# Altium PCB carrier.PcbDoc (part 2 of 5) (continued)
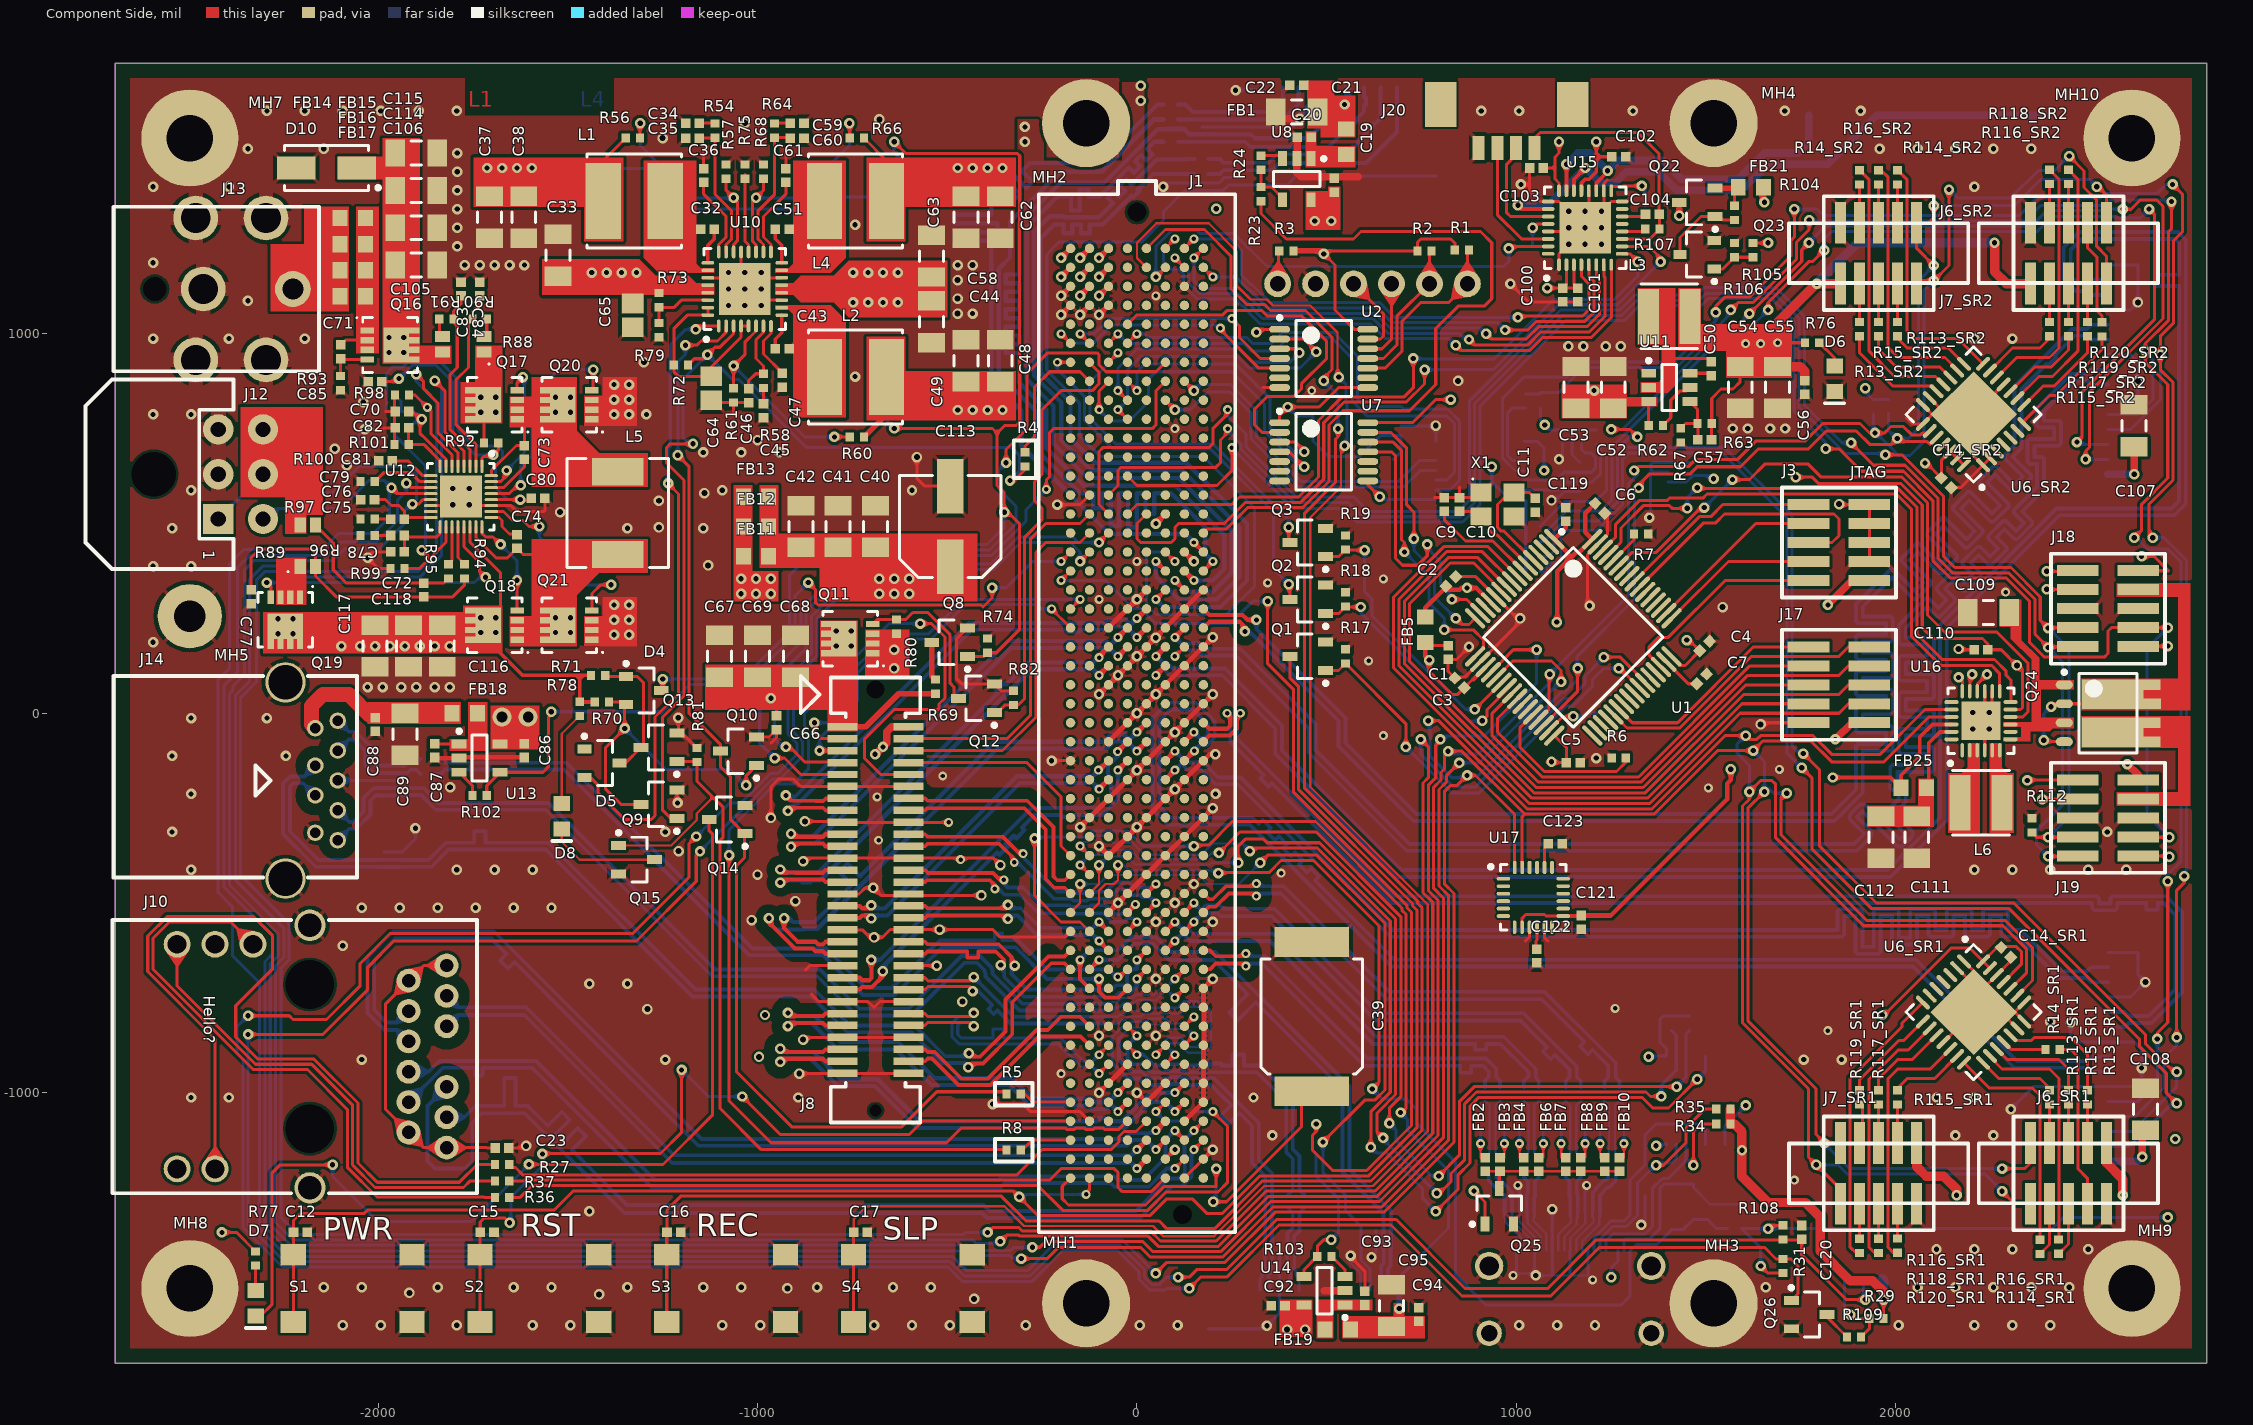
[diagram p0: Component Side view]
## Nets (pads, with @x,y where several pads share a name; then routed paths per layer and width w, separated by ;. In a path a pad name is that pad's centre, name@x,y a point inside that pad or via, vN(x,y) a via of type N, cw(c..) or ccw(c..) an arc to the next point about the centre after c; other vN are vias at no path point)
BAT_CON: J12.5 J12.6 R89.2
BAT_CONc: Q19.S R89.1
BQL: Q17.D R88.1 R92.2 | length 104.9
  Component Side w8: R92.2@-1720.47,712.6 -1720.47,802.17 Q17.D@-1709.65,812.99
  other v1: -1729.33,793.31 -1689.96,793.31 -1729.33,832.68 -1689.96,832.68
BQSL: C73.2 L5.1 Q17.S Q20.D U12.32 | length 205.3
  Component Side w8: U12.32@-1701.77,625.98 -1700.79,626.97 -1700.79,640.16 -1635.43,705.51 C73.2@-1614.17,705.51 -1614.17,755.51 Q17.S@-1633.27,774.61
  other v1: -1532.48,793.31 -1493.11,793.31 -1532.48,832.68 -1493.11,832.68
BQSR: C74.2 L5.2 Q18.S Q21.D U12.23 | length 441.7
  Component Side w8: U12.23@-1742.13,491.14 -1742.13,462.6 -1688.98,409.45 -1659.05,409.45 C74.2@-1633.86,434.65 -1617.72,418.5 L5.2@-1368.11,418.5
  other v1: -1532.48,212.6 -1493.11,212.6 -1532.48,251.97 -1493.11,251.97
CHRG_OK: U1.43 U12.4 | length 8121.3
  Component Side w8: v1(-1850.39,875.98) -1824,849.59 -1824,741.21 -1773.62,690.83 U12.4@-1773.62,650.59 ; v1(-393.7,-1368.11) -383.86,-1368.11 -383.81,-1368.06 -383.81,-1358.81 -380.5,-1355.5 -311.27,-1355.5 -302.77,-1364 35.26,-1364 62.21,-1390.95 208.85,-1390.95 340.84,-1258.96 627.63,-1258.96 779.54,-1107.05 779.54,-498.35 754,-472.81 754,-183.6 767.72,-169.89 767.72,-88.58 v1(748.03,-68.9) ; v1(1230.31,147.64) 1273.79,147.64 1339.3,82.12 U1.43@1339.3,80.29
  Solder Side w8: v1(-1850.39,875.98) -1832.3,857.89 -1832.3,416.65 -1890.46,358.49 -2240.49,358.49 -2256.02,374.02 -2297.41,374.02 -2320.87,350.56 -2320.87,82.4 -2362.2,41.06 -2362.2,-426.68 -2234.25,-554.63 -2234.25,-649.61 -2256.09,-671.45 -2256.09,-1328.27 -2210.49,-1373.88 -456.83,-1373.88 -451.07,-1368.11 v1(-393.7,-1368.11) ; v1(748.03,-68.9) 748.03,-108.15 833.84,-193.97 892.65,-193.97 1125.98,39.37 1141.73,39.37 1181.1,78.74 1181.1,98.43 v1(1230.31,147.64)
CPWR: J1.A48 R8.1 | length 142.1
  Component Side w8: R8.1@-306.1,-1151.57 -302.87,-1151.57 -276.3,-1125 J1.A48@-175,-1125
CRST: J1.A46 R5.1 | length 139.8
  Component Side w8: R5.1@-306.1,-1003.94 -294.82,-1003.94 -273.76,-1025 J1.A46@-175,-1025
CSI0_CLK_N: J1.G21 J5.8 | length 4986.2
  Component Side w13.4: v3(100,200) J1.G21@125,225
  Solder Side w10: v3(100,200) 116,184 166.26,184 180.05,170.21 272.71,170.21 470.76,-27.84 470.76,-96.74 718.5,-344.49 1889.76,-344.49 1916.62,-317.63 1882.68,-283.7 cw(c1893.07,-273.3) 1882.68,-262.91 1901.49,-244.1 cw(c1911.88,-254.49) 1922.28,-244.1 2010.39,-332.21 2024.53,-318.07 1980.75,-274.29 cw(c1991.15,-263.89) 1980.75,-253.5 2007.87,-226.38 2007.87,-202.58 1990.68,-202.58 1985.41,-197.31 1985.41,-141.85 1990.68,-136.58 2082.14,-136.58 2082.14,-106.58 2013.15,-106.58 2007.87,-101.31 2007.87,-45.85 2013.15,-40.58 2082.14,-40.58 2082.14,-10.58 2013.15,-10.58 2007.87,-5.31 2007.87,50.15 2013.15,55.42 2082.14,55.42 2082.14,85.42 2013.15,85.42 2007.87,90.69 2007.87,146.15 2013.15,151.42 2082.14,151.42 2082.14,181.42 2013.15,181.42 2007.87,186.69 2007.87,232.15 2078.92,303.19 2086.38,303.19 2112.74,276.83 2133.95,298.04 2107.59,324.41 2107.59,331.86 2146.8,371.08 2154.26,371.08 2180.62,344.71 2201.84,365.92 2175.47,392.29 2175.47,399.75 2214.68,438.96 2222.14,438.96 2248.51,412.59 2269.72,433.81 2243.35,460.17 2243.35,467.63 2282.57,506.84 2290.02,506.84 2316.39,480.48 2337.6,501.69 2311.24,528.05 2311.24,535.51 2372.05,596.32 2372.05,657.13 2352.26,657.13 2346.99,662.4 2346.99,717.86 2352.26,723.13 2417.22,723.13 2417.22,753.13 2377.32,753.13 2372.05,758.4 2372.05,803.86 2463.02,894.83 2504,894.83 2514.68,905.51 J5.8@2559.06,905.51
CSI0_CLK_P: J1.G22 J5.9 | length 4983.4
  Component Side w7: v3(100,150) J1.G22@125,175
  Solder Side w10: v3(100,150) 116,166 158.8,166 172.59,152.21 260.48,152.21 452.76,-40.07 452.76,-104.2 711.05,-362.49 1897.22,-362.49 1931.68,-328.03 ccw(c1921.29,-317.63) 1935.99,-317.63 ccw(c1921.29,-317.63) 1931.68,-307.24 1897.74,-273.3 1911.88,-259.16 2000,-347.27 ccw(c2010.39,-336.88) 2020.79,-347.27 2039.6,-328.46 ccw(c2029.2,-318.07) 2043.9,-318.07 ccw(c2029.2,-318.07) 2039.6,-307.67 1995.81,-263.89 2025.87,-233.83 2025.87,-189.85 2020.6,-184.58 2003.41,-184.58 2003.41,-154.58 2094.87,-154.58 2100.14,-149.31 2100.14,-93.85 2094.87,-88.58 2025.87,-88.58 2025.87,-58.58 2094.87,-58.58 2100.14,-53.31 2100.14,2.15 2094.87,7.42 2025.87,7.42 2025.87,37.42 2094.87,37.42 2100.14,42.69 2100.14,98.15 2094.87,103.42 2025.87,103.42 2025.87,133.42 2094.87,133.42 2100.14,138.69 2100.14,194.15 2094.87,199.42 2025.87,199.42 2025.87,224.69 2082.65,281.47 2109.01,255.1 2116.47,255.1 2155.68,294.31 2155.68,301.77 2129.32,328.14 2150.53,349.35 2176.9,322.98 2184.35,322.98 2223.56,362.2 2223.56,369.65 2197.2,396.02 2218.41,417.23 2244.78,390.87 2252.23,390.87 2291.45,430.08 2291.45,437.54 2265.08,463.9 2286.29,485.11 2312.66,458.75 2320.12,458.75 2359.33,497.96 2359.33,505.42 2332.96,531.78 2390.05,588.87 2390.05,669.86 2384.78,675.13 2364.99,675.13 2364.99,705.13 2429.95,705.13 2435.22,710.4 2435.22,765.86 2429.95,771.13 2390.05,771.13 2390.05,796.4 2470.47,876.83 2504,876.83 2514.68,866.14 J5.9@2559.06,866.14
CSI0_D0_N: J1.F22 J5.2 | length 4986.2
  Component Side w13.4: v3(50,150) J1.F22@75,175
  Solder Side w10: v3(50,150) 66,134 78.46,134 94.35,118.11 232.15,118.11 382.17,-31.91 382.17,-98.43 697.13,-413.39 1978.35,-413.39 2116.14,-275.59 2116.14,232.15 2423.65,539.65 2726.38,539.65 2746.06,559.34 2746.06,1125.79 2686.42,1125.79 2686.42,1155.79 2746.06,1155.79 2746.06,1185.79 2746.06,1200.79 2746.06,1240.16 2736.22,1250 2490.16,1250 2460.63,1220.47 2460.63,1151.57 2481.16,1131.05 2504,1131.05 2514.68,1141.73 J5.2@2559.06,1141.73
CSI0_D0_P: J1.F23 J5.3 | length 4986.2
  Component Side w13.4: v3(50,100) J1.F23@75,125
  Solder Side w10: v3(50,100) 66,116 71.01,116 86.9,100.11 224.69,100.11 364.17,-39.37 364.17,-105.88 689.68,-431.39 1985.8,-431.39 2134.14,-283.05 2134.14,224.69 2431.1,521.65 2733.83,521.65 2764.06,551.88 2764.06,1247.61 2743.68,1268 2482.7,1268 2442.63,1227.93 2442.63,1144.12 2473.7,1113.05 2504,1113.05 2514.68,1102.36 J5.3@2559.06,1102.36
CSI0_D1_N: J1.H20 J5.5 | length 4979.6
  Component Side w10: 288.21,249.05 291.2,246.06 v1(314.96,246.06)
  Component Side w11: J1.H20@175,275 191,259 278.27,259 288.21,249.05
  Solder Side w10: v1(314.96,246.06) 314.96,222.31 549.5,-12.23 549.5,-78.74 736.5,-265.75 1830.71,-265.75 1894.69,-201.77 1894.69,-86.03 1899.96,-80.76 1973.74,-80.76 1973.74,-50.76 1899.96,-50.76 1894.69,-45.49 1894.69,9.97 1899.96,15.24 1973.74,15.24 1973.74,45.24 1899.96,45.24 1894.69,50.51 1894.69,105.97 1899.96,111.24 1973.74,111.24 1973.74,141.24 1899.96,141.24 1894.69,146.51 1894.69,201.97 1899.96,207.24 1973.74,207.24 1973.74,237.24 1899.96,237.24 1894.69,242.51 1894.69,287.97 1985.92,379.21 1993.38,379.21 2050.02,322.56 2071.24,343.78 2014.59,400.42 2014.59,407.88 2053.81,447.09 2061.26,447.09 2117.9,390.45 2139.12,411.66 2082.48,468.3 2082.48,475.76 2121.69,514.97 2129.14,514.97 2185.79,458.33 2207,479.54 2150.36,536.18 2150.36,543.64 2189.57,582.85 2197.03,582.85 2253.67,526.21 2274.88,547.42 2218.24,604.07 2218.24,611.52 2257.45,650.74 2264.91,650.74 2313.01,602.63 2334.23,623.84 2286.12,671.95 2286.12,679.4 2312.99,706.27 2312.99,862.07 2463.86,1012.94 2504,1012.94 2514.68,1023.62 J5.5@2559.06,1023.62
CSI0_D1_P: J1.H21 J5.6 | length 4994.4
  Component Side w10: 275.49,236.33 284.5,227.31 v1(284.5,215.6)
  Component Side w11: J1.H21@175,225 191,241 270.81,241 275.49,236.33
  Power_layer1 w11: v1(284.5,215.6) 285.43,216.54 v1@295.28,216.54
  Solder Side w10: v1(284.5,215.6) 296.21,215.6 531.5,-19.68 531.5,-86.2 729.05,-283.75 1838.16,-283.75 1912.69,-209.23 1912.69,-98.76 1986.47,-98.76 1991.74,-93.49 1991.74,-38.03 1986.47,-32.76 1912.69,-32.76 1912.69,-2.76 1986.47,-2.76 1991.74,2.51 1991.74,57.97 1986.47,63.24 1912.69,63.24 1912.69,93.24 1986.47,93.24 1991.74,98.51 1991.74,153.97 1986.47,159.24 1912.69,159.24 1912.69,189.24 1986.47,189.24 1991.74,194.51 1991.74,249.97 1986.47,255.24 1912.69,255.24 1912.69,280.51 1989.65,357.48 2046.29,300.84 2053.75,300.84 2092.96,340.05 2092.96,347.51 2036.32,404.15 2057.53,425.36 2114.18,368.72 2121.63,368.72 2160.85,407.93 2160.85,415.39 2104.2,472.03 2125.42,493.24 2182.06,436.6 2189.51,436.6 2228.73,475.81 2228.73,483.27 2172.09,539.91 2193.3,561.13 2249.94,504.48 2257.4,504.48 2296.61,543.7 2296.61,551.15 2239.97,607.79 2261.18,629.01 2309.29,580.9 2316.74,580.9 2355.95,620.12 2355.95,627.57 2307.85,675.68 2330.99,698.82 2330.99,854.61 2391.73,915.35 2397.07,920.69 2400.85,916.91 2422.07,938.12 2418.28,941.9 2439.5,963.12 2460.71,984.33 2471.32,994.94 2504,994.94 2514.68,984.25 J5.6@2559.06,984.25
CSI1_CLK_N: J1.G27 J4.8 | length 3393.5
  Component Side w13.4: J1.G27@125,-75 v3(150,-50)
  Solder Side w10: v3(150,-50) 165.45,-65.45 177.17,-65.45 187.01,-55.61 187.01,-29.53 147.64,9.84 88.58,9.84 59.06,-19.68 59.06,-246.06 88.58,-275.59 304.41,-275.59 320.94,-292.13 331.53,-281.54 352.74,-302.76 342.16,-313.34 363.37,-334.56 373.96,-323.97 395.17,-345.18 384.58,-355.77 405.8,-376.98 416.38,-366.4 437.59,-387.61 427.01,-398.19 448.22,-419.41 458.81,-408.82 480.02,-430.04 469.44,-440.62 490.65,-461.83 501.26,-472.44 678.42,-649.61 2053.01,-649.61 2319.61,-916.2 2504,-916.2 2514.68,-905.51 J4.8@2559.06,-905.51
CSI1_CLK_P: J1.G28 J4.9 | length 3393.5
  Component Side w13.4: J1.G28@125,-125 v3(151.1,-98.9)
  Solder Side w10: v3(151.1,-98.9) 166.55,-83.45 184.62,-83.45 205.01,-63.06 205.01,-22.07 155.09,27.84 81.13,27.84 41.06,-12.23 41.06,-253.52 81.13,-293.59 296.95,-293.59 670.97,-667.61 2045.56,-667.61 2312.15,-934.2 2504,-934.2 2514.68,-944.88 J4.9@2559.06,-944.88
CSI1_D0_N: J1.F28 J4.2 | length 3384.6
  Component Side w13.4: J1.F28@75,-125 v3(100,-100)
  Solder Side w10: v3(100,-100) 116,-116 125.57,-116 139.2,-129.64 174.78,-129.64 214.15,-169.01 273.2,-169.01 675.06,-570.87 1845.88,-570.87 1845.88,-521.55 1851.15,-516.28 1906.61,-516.28 1911.88,-521.55 1911.88,-615.61 1941.88,-615.61 1941.88,-521.55 1947.15,-516.28 2002.61,-516.28 2007.88,-521.55 2007.88,-591.4 2037.88,-591.4 2037.88,-521.55 2043.15,-516.28 2098.61,-516.28 2103.88,-521.55 2103.88,-570.87 2133.88,-570.87 2133.88,-521.55 2139.15,-516.28 2194.61,-516.28 2199.88,-521.55 2199.88,-570.87 2229.88,-570.87 2229.88,-521.55 2235.15,-516.28 2290.61,-516.28 2295.88,-521.55 2295.88,-570.87 2328.61,-570.87 2437.72,-679.98 2504,-679.98 2514.68,-669.29 J4.2@2559.06,-669.29
CSI1_D0_P: J1.F29 J4.3 | length 3384.6
  Component Side w13.4: J1.F29@75,-175 v3(100,-150)
  Solder Side w10: v3(100,-150) 116,-134 118.11,-134 131.75,-147.64 167.32,-147.64 206.69,-187.01 265.75,-187.01 667.61,-588.87 1858.61,-588.87 1863.88,-583.59 1863.88,-534.28 1893.88,-534.28 1893.88,-628.34 1899.15,-633.61 1954.61,-633.61 1959.88,-628.34 1959.88,-534.28 1989.88,-534.28 1989.88,-604.13 1995.15,-609.4 2050.61,-609.4 2055.88,-604.13 2055.88,-534.28 2085.88,-534.28 2085.88,-583.59 2091.15,-588.87 2146.61,-588.87 2151.88,-583.59 2151.88,-534.28 2181.88,-534.28 2181.88,-583.59 2187.15,-588.87 2242.61,-588.87 2247.88,-583.59 2247.88,-534.28 2277.88,-534.28 2277.88,-583.59 2283.15,-588.87 2321.15,-588.87 2430.26,-697.98 2504,-697.98 2514.68,-708.66 J4.3@2559.06,-708.66
CSI1_D1_N: J1.H26 J4.5 | length 3389.3
  Component Side w11: J1.H26@175,-25 191,-41 237.37,-41 246.06,-32.31 246.06,-8.28 v3(237.78,0)
  Solder Side w10: v3(237.78,0) 246.06,-8.28 246.06,-74.67 259.98,-88.58 270.58,-99.19 291.8,-120.4 313.01,-141.62 334.22,-162.83 325.49,-171.56 346.7,-192.78 355.44,-184.04 452.76,-281.36 671.68,-500.28 1844.52,-500.28 2401.57,-500.28 2517.43,-500.28 2517.43,-513.87 2522.7,-519.15 2578.15,-519.15 2583.43,-513.87 2583.43,-500.28 2660.01,-500.28 2660.01,-517.75 2690.01,-517.75 2690.01,-500.28 2705.01,-500.28 ; J4.5@2559.06,-787.4 2603.43,-787.4 2614.11,-798.09 2666.48,-798.09 2736.22,-728.35 2736.22,-531.5 2705.01,-500.28 ; 2716.54,-511.81 2705.01,-500.28
CSI1_D1_P: J1.H27 J4.6 | length 3373
  Component Side w11: J1.H27@175,-75 191,-59 244.83,-59 264.06,-39.76 264.06,-8.28 v3(272.34,0)
  Solder Side w10: v3(272.34,0) 264.06,-8.28 264.06,-67.21 679.13,-482.28 1837.06,-482.28 2419.57,-482.28 2530.15,-482.28 2535.43,-487.56 2535.43,-501.15 2565.43,-501.15 2565.43,-487.56 2570.7,-482.28 2712.46,-482.28 2754.22,-524.04 2754.22,-735.8 2673.94,-816.09 2614.11,-816.09 2603.43,-826.77 J4.6@2559.06,-826.77
CSI2_CLK_N: J1.D21 J8.19 | length 1265.6
  Component Side w11: v1(-911.72,-317.37) -903.44,-325.65 -827.21,-325.65 -820.46,-318.9 J8.19@-775.59,-318.9
  Component Side w13.4: v3(-50,200) J1.D21@-25,225
  Solder Side w11: v1(-911.72,-317.37) -903.44,-325.65 -855.65,-325.65 -340,190 -81,190 -75,184 -66,184 v3(-50,200)
CSI2_CLK_P: J1.D22 J8.21 | length 1265.6
  Component Side w11: v1(-911.72,-351.93) -903.44,-343.65 -827.21,-343.65 -820.46,-350.39 J8.21@-775.59,-350.39
  Component Side w13.4: v3(-50,150) J1.D22@-25,175
  Solder Side w11: v1(-911.72,-351.93) -903.44,-343.65 -848.19,-343.65 -332.54,172 -88.46,172 -82.46,166 -66,166 v3(-50,150)
CSI2_D0_N: J1.C22 J8.25 | length 1300.9
  Component Side w11: v1(-940,-411.72) -931.72,-420 -900.13,-420 -900,-420.13 -827.21,-420.13 -820.46,-413.39 J8.25@-775.59,-413.39
  Component Side w13.4: v3(-100,146.72) -100,150 J1.C22@-75,175
  Solder Side w11: v1(-940,-411.72) -931.72,-420 -929.11,-420 -928.98,-420.13 -840.13,-420.13 -370.79,49.21 -366.53,53.47 -371.24,58.17 -349.32,80.09 -344.61,75.39 -322.69,97.31 -311.73,108.27 -286,134 -116,134 -103.28,146.72 v3(-100,146.72)
CSI2_D0_P: J1.C23 J8.27 | length 1296.6
  Component Side w11: v1(-940,-446.28) -931.72,-438 -907.59,-438 -907.46,-438.13 -827.21,-438.13 -820.46,-444.88 J8.27@-775.59,-444.88
  Component Side w13.4: v3(-100,100) J1.C23@-75,125
  Solder Side w11: v1(-940,-446.28) -933.72,-440 -915.35,-440 -904.35,-440 -882.35,-440 -882.35,-445.5 -860.35,-445.5 -860.35,-440 -834.54,-440 -278.54,116 -116,116 v3(-100,100)
CSI2_D1_N: J1.E20 J8.13 | length 1327.5
  Component Side w10: v1(-925.19,-216.53) -911.07,-230.66 -846.96,-230.66 -846.46,-231.16 -826.71,-231.16 -819.96,-224.41 J8.13@-775.59,-224.41
  Component Side w13.4: v3(0,250) J1.E20@25,275
  Solder Side w10: v1(-925.19,-216.53) -909.78,-216.53 -903.44,-222.88 -442.56,238.01 -86.8,238.01 -78.74,246.06 -28.84,246.06 -16.78,234 -16,234 v3(0,250)
CSI2_D1_P: J1.E21 J8.15 | length 1330.3
  Component Side w10: v1(-920,-257.44) -911.72,-249.16 -826.71,-249.16 -819.96,-255.91 J8.15@-775.59,-255.91
  Component Side w13.4: v3(0,200) J1.E21@25,225
  Solder Side w10: v1(-920,-257.44) -903.44,-240.88 -895.99,-240.88 -435.1,220.01 -187.01,220.01 -182.8,220.01 -182.8,214.19 -152.8,214.19 -152.8,220.01 -137.8,220.01 -79.34,220.01 -71.28,228.06 -36.3,228.06 -24.23,216 -16,216 v3(0,200)
CSI3_CLK_N: J1.D27 J8.43 | length 1109.3
  Component Side w11: J8.43@-775.59,-696.85 -730.72,-696.85 -723.97,-703.6 -705.74,-703.6 -700,-697.86 v1(-700,-650)
  Component Side w13.4: v3(-51.1,-101.1) J1.D27@-25,-75
  Solder Side w11: v1(-700,-650) -677.46,-650 -277.46,-250 -98,-250 -68,-220 -68,-169.16 -76.28,-160.89 -76.28,-139.11 -50,-112.84 -51.1,-111.73 v3(-51.1,-101.1)
CSI3_CLK_P: J1.D28 J8.45 | length 1108.9
  Component Side w11: J8.45@-775.59,-728.35 -730.72,-728.35 -723.97,-721.6 -698.28,-721.6 -670,-693.32 v1(-670,-680)
  Component Side w13.4: v3(-50,-150) J1.D28@-25,-125
  Solder Side w11: v1(-670,-680) -670,-668 -389.78,-387.78 -368.64,-366.64 -362.26,-373.02 -340.34,-351.1 -346.72,-344.72 -324.8,-322.8 -318.03,-329.57 -296.11,-307.65 -302.88,-300.88 -280.96,-278.96 -270,-268 -261.04,-268 -230.04,-268 -199.04,-268 -199.04,-273.5 -168.04,-273.5 -168.04,-268 -137.04,-268 -106.04,-268 -90.54,-268 -50,-227.46 v3(-50,-150)
CSI3_D0_N: J1.C28 J8.31 | length 872.5
  Component Side w11: J8.31@-775.59,-507.87 -730.72,-507.87 -723.97,-514.62 -708.28,-514.62 v1(-700,-506.34)
  Component Side w13.4: v3(-101.56,-150) -100,-150 J1.C28@-75,-125
  Solder Side w11: v1(-700,-506.34) -691.72,-514.62 -664.62,-514.62 -316,-166 -116,-166 -101.56,-151.56 v3(-101.56,-150)
CSI3_D0_P: J1.C29 J8.33 | length 871.6
  Component Side w11: J8.33@-775.59,-539.37 -730.72,-539.37 -723.97,-532.62 -708.28,-532.62 v1(-700,-540.9)
  Component Side w13.4: v3(-100,-200) J1.C29@-75,-175
  Solder Side w11: v1(-700,-540.9) -691.72,-532.62 -657.17,-532.62 -308.54,-184 -116,-184 v3(-100,-200)
CSI3_D1_N: J1.E26 J8.37 | length 1480.7
  Component Side w11: v1(-930,-540) -930,-566.26 -894.26,-602 -847.11,-602 -840,-609.11 -827.21,-609.11 -820.46,-602.36 J8.37@-775.59,-602.36
  Component Side w13.4: v3(0,-50) J1.E26@25,-25
  Solder Side w11: v1(-930,-540) -916.28,-540 -906.28,-550 -850,-550 -839.04,-539.04 -817.12,-517.12 -795.2,-495.2 -773.28,-473.28 -751.36,-451.36 -784.92,-417.8 -763,-395.88 -729.44,-429.44 -637.2,-337.2 -375,-75 -235.75,-75 -235.47,-75.28 -214.53,-75.28 -214.25,-75 -86.21,-75 -67.93,-56.72 -34.28,-56.72 -25,-66 -16,-66 v3(0,-50)
CSI3_D1_P: J1.E27 J8.39 | length 1480.7
  Component Side w11: v1(-970,-540) -970,-551.72 -901.72,-620 -854.57,-620 -847.46,-627.11 -827.21,-627.11 -820.46,-633.86 J8.39@-775.59,-633.86
  Component Side w13.4: v3(0,-100) J1.E27@25,-75
  Solder Side w11: v1(-970,-540) -970,-551.72 -951.72,-570 -880,-570 -878,-568 -842.54,-568 -367.54,-93 -243.21,-93 -242.93,-93.28 -207.07,-93.28 -206.79,-93 -78.75,-93 -60.47,-74.72 -41.74,-74.72 -32.46,-84 -16,-84 v3(0,-100)
CVBD: J1.B8 R4.1 | length 353.6
  Component Side w8: R4.1@-295,688.7 -295,703.7 -270,728.7 -270,860 -230,900 -150,900 J1.B8@-125,875
DC_IN: FB14.1 FB15.1 FB16.1 FB17.1 J13.1
DC_INfb: C71.2 FB14.2 FB15.2 FB16.2 FB17.2 Q16.S | length 75.4
  Component Side w8: C71.2@-2098.43,970.87 -2086.02,983.27 Q16.S@-2028.15,983.27
DC_INrp: C105.2 C106.2 C114.2 C115.2 D10.C Q16.D R88.2
  other v1: -1971.46,950.79 -1932.09,950.79 -1971.46,990.16 -1932.09,990.16
DISCHARGE: D4.C Q5.G Q6.G Q7.G Q8.G R74.2 | length 4374
  Component Side w8: D4.C@-1250,60 v1(-1250,90) ; v1(-639.76,750.55) -380.98,750.55 -368.62,738.19 ; v1(-639.76,1505.91) -608.43,1474.57 -314.76,1474.57 -309.16,1468.98 -308.9,1468.98 -308.9,1330.5 -310,1329.4 -310,906.82 -308.9,905.72 -308.9,767.51 -318.54,757.87 -348.94,757.87 -368.62,738.19 ; Q8.G@-446.31,149.61 -403.54,149.61 R74.2@-393.7,159.45 -370.55,159.45 -310,220 -310,500 -340,530 v1(-350,530) -350,581.73 -368.62,600.35 -368.62,649.99 -368.78,650.15 -368.78,669.85 -368.62,670.01 -368.62,738.19
  Solder Side w8: Q5.G@-1409.45,1435.04 -1277.56,1435.04 -1171.26,1328.74 -895.67,1328.74 -864.17,1360.24 Q7.G@-657.48,1360.24 -647.64,1360.24 -620.08,1387.8 -620.08,1456.69 -639.76,1476.38 v1(-639.76,1505.91) ; v1(-1250,90) -1040,90 -915.35,214.65 -915.35,364.17 -834.53,445 -395,445 -350,490 v1(-350,530) ; Q6.G@-657.48,799.21 -657.48,768.27 v1(-639.76,750.55)
DP0_D0_C_N: C30.1 R44.1 R47.2 | length 201
  Solder Side w6: R44.1@956.69,-1170.28 944.76,-1158.34 944.76,-1033.98 C30.1@956.69,-1022.05 968.5,-1033.86 R47.2@968.5,-1060.04
DP0_D0_C_P: C31.1 R45.1 R46.2 | length 201
  Solder Side w6: R46.2@905.51,-1060.04 905.51,-1033.86 C31.1@917.32,-1022.05 929.26,-1033.98 929.26,-1158.34 R45.1@917.32,-1170.28
DP0_D0_J_N: D3.4 J11.3 R44.2 | length 251.7
  Solder Side w6: D3.4@988.19,-1314.37 988.19,-1328.2 986.1,-1330.29 986.1,-1334.65 1031.37,-1379.92 1031.37,-1392.55 1031.5,-1392.67 J11.3@1031.5,-1415.35
  Solder Side w9.7: R44.2@956.69,-1207.68 946.61,-1217.76 946.61,-1224.41 952.51,-1230.31 957.59,-1230.31 979.31,-1252.03 979.31,-1254.3 987.7,-1262.69 987.7,-1267.89 988.19,-1268.38 D3.4@988.19,-1284.06 D3.4@988.19,-1314.37
DP0_D0_J_P: D3.5 J11.2 R45.2 | length 251.5
  Solder Side w6: D3.5@968.5,-1314.37 968.5,-1328.2 970.6,-1330.29 970.6,-1341.07 1015.87,-1386.34 1015.87,-1392.55 1015.75,-1392.67 J11.2@1015.75,-1415.35
  Solder Side w9.7: R45.2@917.32,-1207.68 927.41,-1217.76 927.41,-1232.36 944.56,-1249.51 949.64,-1249.51 960.11,-1259.98 960.11,-1262.25 968.5,-1270.65 D3.5@968.5,-1284.06 D3.5@968.5,-1314.37
DP0_D0_N: C30.2 J1.H38 | length 959.7
  Component Side w9.7: J1.H38@175,-625 192.35,-625 207.75,-640.4 280.36,-640.4 v6(287.32,-633.44)
  Solder Side w9.7: v6(287.32,-633.44) 294.28,-640.4 337.95,-640.4 607.49,-909.93 919.61,-909.93 946.61,-936.93 946.61,-958.29 956.69,-968.38 C30.2@956.69,-985.83
DP0_D0_P: C31.2 J1.H39 | length 963.8
  Component Side w9.7: J1.H39@175,-675 192.35,-675 207.75,-659.6 280.36,-659.6 v6(287.32,-666.56)
  Solder Side w9.7: v6(287.32,-666.56) 294.28,-659.6 330,-659.6 599.53,-929.13 807.09,-929.13 821.94,-929.13 851.64,-929.13 851.64,-947.11 881.34,-947.11 881.34,-929.13 911.66,-929.13 927.41,-944.88 927.41,-958.29 917.32,-968.38 C31.2@917.32,-985.83
DP0_D1_C_N: C28.1 R42.1 R49.2 | length 201
  Solder Side w6: R42.1@1059.05,-1170.28 1047.12,-1158.34 1047.12,-1033.98 C28.1@1059.06,-1022.05 1070.87,-1033.86 R49.2@1070.87,-1060.04
DP0_D1_C_P: C29.1 R43.1 R48.2 | length 201
  Solder Side w6: R48.2@1007.87,-1060.04 1007.87,-1033.86 C29.1@1019.68,-1022.05 1031.62,-1033.98 1031.62,-1158.34 R43.1@1019.68,-1170.28
DP0_D1_J_N: D3.1 J11.6 R42.2 | length 227.3
  Solder Side w6: D3.1@1047.24,-1314.37 1047.24,-1328.2 1045.15,-1330.29 1045.15,-1337.84 1078.74,-1371.43 J11.6@1078.74,-1415.35
  Solder Side w9.7: D3.1@1047.24,-1314.37 D3.1@1047.24,-1284.06 1047.24,-1275.85 1048.97,-1274.12 1048.97,-1233.44 1059.05,-1223.35 R42.2@1059.05,-1207.68
DP0_D1_J_P: D3.2 J11.5 R43.2 | length 227.5
  Solder Side w6: D3.2@1027.56,-1314.37 1027.56,-1328.2 1029.65,-1330.29 1029.65,-1344.26 1063.12,-1377.72 1063.12,-1392.55 1062.99,-1392.67 J11.5@1062.99,-1415.35
  Solder Side w9.7: R43.2@1019.68,-1207.68 1019.68,-1223.35 1029.77,-1233.44 1029.77,-1266.17 1027.56,-1268.38 D3.2@1027.56,-1284.06 D3.2@1027.56,-1314.37
DP0_D1_N: C28.2 J1.F37 | length 1198.8
  Component Side w9.7: J1.F37@75,-575 v3(100,-550)
  Solder Side w9.7: v3(100,-550) 115.4,-565.4 132.95,-565.4 148.35,-580.8 358.35,-580.8 630,-852.45 966.34,-852.45 1050.82,-936.93 1050.82,-960.14 1059.06,-968.38 C28.2@1059.06,-985.83
DP0_D1_P: C29.2 J1.F38 | length 1198.8
  Component Side w9.7: J1.F38@75,-625 v3(100,-600)
  Solder Side w9.7: v3(100,-600) 115.4,-584.6 125,-584.6 140.4,-600 350.4,-600 622.05,-871.65 891.01,-871.65 891.01,-886.79 920.71,-886.79 920.71,-871.65 958.39,-871.65 1031.62,-944.88 1031.62,-956.44 1019.68,-968.38 C29.2@1019.68,-985.83
DP0_D2_C_N: C26.1 R40.1 R51.2 | length 201
  Solder Side w6: R40.1@1169.29,-1170.28 1157.36,-1158.34 1157.36,-1033.98 C26.1@1169.29,-1022.05 1181.1,-1033.86 R51.2@1181.1,-1060.04
DP0_D2_C_P: C27.1 R41.1 R50.2 | length 201
  Solder Side w6: R50.2@1118.11,-1060.04 1118.11,-1033.86 C27.1@1129.92,-1022.05 1141.86,-1033.98 1141.86,-1158.34 R41.1@1129.92,-1170.28
DP0_D2_J_N: D2.2 J11.9 R40.2 | length 227.5
  Solder Side w6: J11.9@1125.98,-1415.35 1125.98,-1392.67 1125.86,-1392.55 1125.86,-1380.31 1159.32,-1346.85 1159.32,-1330.29 1161.42,-1328.2 D2.2@1161.42,-1314.37
  Solder Side w9.7: D2.2@1161.42,-1314.37 D2.2@1161.42,-1284.06 1161.42,-1268.38 1159.21,-1266.17 1159.21,-1233.44 1169.29,-1223.35 R40.2@1169.29,-1207.68
DP0_D2_J_P: D2.1 J11.8 R41.2 | length 227.3
  Solder Side w6: J11.8@1110.24,-1415.35 1110.24,-1392.67 1110.36,-1392.55 1110.36,-1373.89 1143.82,-1340.43 1143.82,-1330.29 1141.73,-1328.2 D2.1@1141.73,-1314.37
  Solder Side w9.7: R41.2@1129.92,-1207.68 1129.92,-1223.35 1140.01,-1233.44 1140.01,-1274.12 1141.73,-1275.85 D2.1@1141.73,-1284.06 D2.1@1141.73,-1314.37
DP0_D2_N: C26.2 J1.G36 | length 1289.7
  Component Side w9.7: J1.G36@125,-525 v3(150,-500)
  Solder Side w9.7: v3(150,-500) 165.4,-515.4 172.62,-515.4 181.85,-506.17 218.15,-506.17 227.38,-515.4 362.55,-515.4 637.8,-790.64 1018.71,-790.64 1159.21,-931.14 1159.21,-958.29 1169.29,-968.38 C26.2@1169.29,-985.83
DP0_D2_P: C27.2 J1.G37 | length 1289.7
  Component Side w9.7: J1.G37@125,-575 v3(150,-550)
  Solder Side w9.7: v3(150,-550) 165.4,-534.6 180.57,-534.6 189.8,-525.37 210.2,-525.37 219.43,-534.6 354.6,-534.6 629.84,-809.84 1010.75,-809.84 1045.34,-844.43 1080.7,-879.79 1069.46,-891.04 1090.46,-912.04 1101.7,-900.79 1112.2,-911.29 1140.01,-939.09 1140.01,-958.29 1129.92,-968.38 C27.2@1129.92,-985.83
DP0_D3_C_N: C24.1 R38.1 R53.2 | length 201
  Solder Side w6: R38.1@1271.65,-1170.28 1259.72,-1158.34 1259.72,-1033.98 C24.1@1271.65,-1022.05 1283.46,-1033.86 R53.2@1283.46,-1060.04
DP0_D3_C_P: C25.1 R39.1 R52.2 | length 201
  Solder Side w6: R52.2@1220.47,-1060.04 1220.47,-1033.86 C25.1@1232.28,-1022.05 1244.22,-1033.98 1244.22,-1158.34 R39.1@1232.28,-1170.28
DP0_D3_J_N: D2.5 J11.12 R38.2 | length 251.5
  Solder Side w6: J11.12@1173.23,-1415.35 1173.23,-1392.67 1173.1,-1392.55 1218.38,-1347.27 1218.38,-1330.29 1220.47,-1328.2 D2.5@1220.47,-1314.37
  Solder Side w9.7: D2.5@1220.47,-1314.37 D2.5@1220.47,-1284.06 1220.47,-1270.65 1228.87,-1262.25 1228.87,-1259.98 1239.34,-1249.51 1244.42,-1249.51 1261.57,-1232.36 1261.57,-1217.76 R38.2@1271.65,-1207.68
DP0_D3_J_P: D2.4 J11.11 R39.2 | length 251.7
  Solder Side w6: J11.11@1157.48,-1415.35 1157.48,-1392.67 1157.6,-1392.55 1157.6,-1386.12 1202.88,-1340.85 1202.88,-1330.29 1200.79,-1328.2 D2.4@1200.79,-1314.37
  Solder Side w9.7: D2.4@1200.79,-1314.37 D2.4@1200.79,-1284.06 1200.79,-1268.38 1201.27,-1267.89 1201.27,-1262.69 1209.67,-1254.3 1209.67,-1252.03 1231.38,-1230.31 1236.46,-1230.31 1242.37,-1224.41 1242.37,-1217.76 R39.2@1232.28,-1207.68
DP0_D3_N: C24.2 J1.H35 | length 1374.6
  Component Side w9.7: J1.H35@175,-475 190.4,-490.4 200,-490.4 234.6,-455.8 308,-455.8 v6(314.96,-448.84)
  Solder Side w9.7: v6(314.96,-448.84) 321.92,-455.8 386.91,-455.8 665.43,-734.32 1074.71,-734.32 1261.57,-921.18 1261.57,-958.29 1271.65,-968.38 C24.2@1271.65,-985.83
DP0_D3_P: C25.2 J1.H36 | length 1375.4
  Component Side w9.7: J1.H36@175,-525 190.4,-509.6 207.95,-509.6 242.55,-475 308,-475 v6(314.96,-481.96)
  Solder Side w9.7: v6(314.96,-481.96) 321.92,-475 378.96,-475 657.48,-753.52 1066.76,-753.52 1179.13,-865.89 1167.61,-877.41 1188.61,-898.41 1200.13,-886.89 1210.63,-897.4 1242.37,-929.13 1242.37,-958.29 1232.28,-968.38 C25.2@1232.28,-985.83
DPM2_AUX_N: J1.A34 J8.14 | length 599.6
  Component Side w9.7: J8.14@-602.36,-224.41 -558.14,-224.41 -551.75,-230.8 -289.2,-230.8 -220,-300 -220,-430.4 -210,-440.4 -190.4,-440.4 J1.A34@-175,-425
DPM2_AUX_P: J1.A35 J8.16 | length 599.4
  Component Side w9.7: J8.16@-602.36,-255.91 -558.14,-255.91 -552.24,-250 -297.15,-250 -240,-307.15 -240,-437.55 -217.95,-459.6 -190.4,-459.6 J1.A35@-175,-475
DPM2_D0_N: J1.E35 J8.20 | length 780
  Component Side w9.7: J8.20@-602.36,-318.9 -558.14,-318.9 -551.99,-325.05 -354.09,-325.05 -309.39,-369.74 v6(-299.98,-369.74) ; J1.E35@25,-475 v3(50,-450)
  Solder Side w9.7: v6(-299.98,-369.74) -297.24,-372.48 -297.24,-382.76 -210,-470 -164.83,-470 -160.2,-474.63 -139.8,-474.63 -135.17,-470 -81.98,-470 -58.15,-446.17 -21.85,-446.17 -7.91,-460.11 39.89,-460.11 v3(50,-450)
DPM2_D0_P: J1.E36 J8.22 | length 783.9
  Component Side w9.7: J8.22@-602.36,-350.39 -558.14,-350.39 -551.99,-344.25 -362.91,-344.25 -323.4,-383.75 v6(-323.4,-393.16) ; J1.E36@25,-525 v3(50,-500)
  Solder Side w9.7: v6(-323.4,-393.16) -313.99,-393.16 -243.4,-463.75 -217.95,-489.2 -172.78,-489.2 -168.15,-493.83 -131.85,-493.83 -127.22,-489.2 -74.03,-489.2 -50.2,-465.37 -29.8,-465.37 -15.86,-479.31 8.57,-479.31 13.86,-484.6 34.6,-484.6 v3(50,-500)
DPM2_D1_N: J1.D36 J8.26 | length 695.9
  Component Side w9.7: J8.26@-602.36,-413.39 -558.14,-413.39 -550.73,-420.8 -379.2,-420.8 -360.63,-439.37 v6(-350.79,-439.37) ; J1.D36@-25,-525 v3(-3.94,-503.94)
  Solder Side w9.7: v6(-350.79,-439.37) -350.79,-449.21 -340.94,-459.05 -300.95,-459.05 -253.83,-506.17 -178.02,-506.17 -174.66,-509.53 -125.34,-509.53 -121.98,-506.17 -83.83,-506.17 -82.02,-507.98 -80.04,-507.98 -58.02,-530 -42.34,-530 -32.34,-520 -20,-520 v3(-3.94,-503.94)